# Altium PCB Air_Logger_PCB_ver2.PcbDoc (part 2 of 2)
Units mm, origin at the board's own origin, x right, y up, seen from the top; angles counter-clockwise.
Board outline 118.49 x 71.12 mm, 2 copper layers (Top Layer, Bottom Layer); 145 components, 85 nets, 471 pads, 157 vias.
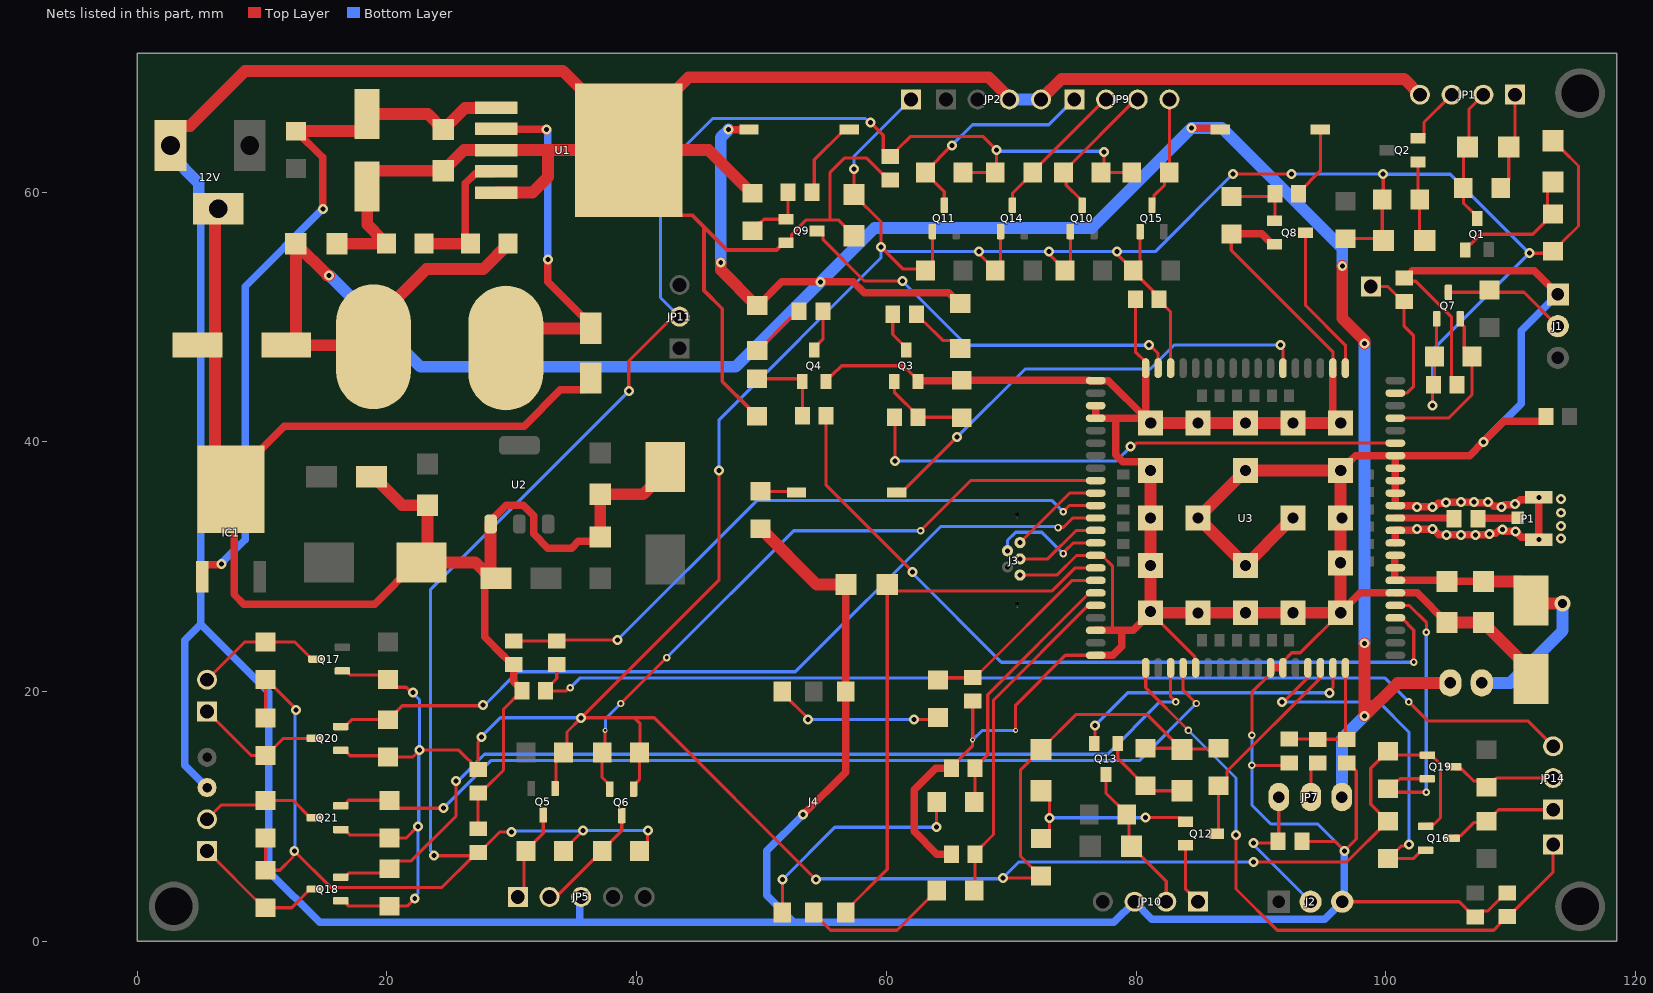
[diagram p2: the nets of this part, all layers, seen from the top]

## Via types
v1: diameter 0.8, hole 0.4, Top Layer to Bottom Layer, tented both sides, 111 vias
v2: diameter 1.27, hole 0.9, Top Layer to Bottom Layer, tented both sides, 20 vias
v3: diameter 0.6, hole 0.3, Top Layer to Bottom Layer, tented both sides, 18 vias
v4: diameter 1.27, hole 0.711, Top Layer to Bottom Layer, tented both sides, 4 vias
v5: diameter 0.4, hole 0.2, Top Layer to Bottom Layer, tented both sides, 3 vias
v6: diameter 0.5, hole 0.3, Top Layer to Bottom Layer, tented both sides, 1 vias

## Nets (pads, with @x,y where several pads share a name; then routed paths per layer and width w, separated by ;. In a path a pad name is that pad's centre, name@x,y a point inside that pad or via, vN(x,y) a via of type N, cw(c..) or ccw(c..) an arc to the next point about the centre after c; other vN are vias at no path point) (continued)
"23 LOG_TX": Q6.2 R17.1 U3.23 | length 53.2
  Top Layer w0.254: R17.1@37.235,15.24 R17.1@37.235,15.29 ; v5(37.465,16.891) 37.465,15.343 R17.1@37.235,15.113 37.235,13.123 37.851,12.507 Q6.2@37.851,12.192 ; v3(38.735,19.05) v3(42.418,22.733) ; v3(62.738,32.893) 66.754,36.909 U3.23@76.773,36.909
  Bottom Layer w0.254: v5(37.465,16.891) 37.505,16.931 37.505,17.82 v3(38.735,19.05) ; v3(42.418,22.733) 52.578,32.893 v3(62.738,32.893)
"26 GPIO_17": Q20.2 R53.1 U3.26 | length 67.5
  Top Layer w0.254: Q20.2@16.3,17.206 16.615,17.206 17.165,17.756 20.116,17.756 21.229,18.869 27.632,18.869 v1(27.686,18.923) ; v3(73.754,33.147) 73.774,33.167 74.188,33.167 74.93,33.909 U3.26@76.773,33.909
  Bottom Layer w0.254: v1(27.686,18.923) 27.813,18.923 30.48,21.59 52.705,21.59 64.335,33.22 73.547,33.22 73.554,33.213 73.687,33.213 v3(73.754,33.147)
"35 GPIO_13": C22.1 JP8.1 U3.35 | length 51.7
  Top Layer w0.254: U3.35@80.773,21.909 80.773,20.319 v3(84.201,16.891) ; v1(88.011,8.509) 88.011,4.191 91.313,0.889 108.645,0.889 109.158,1.402 109.158,1.502 109.631,1.975 109.831,1.975 113.411,5.555 JP8.1@113.411,7.747
  Bottom Layer w0.254: v3(84.201,16.891) 88.011,13.081 v1(88.011,8.509)
"37 I2C2_SDA": Q18.2 R47.1 U3.37 | length 77.2
  Top Layer w0.254: Q18.2@16.3,5.141 16.615,5.141 16.935,5.461 19.836,5.461 20.816,6.441 21.935,6.441 25.527,10.033 v1(25.527,12.827) ; U3.37@82.773,21.909 82.773,19.589 v3(83.185,19.177)
  Bottom Layer w0.254: v1(25.527,12.827) 25.654,12.827 27.813,14.986 77.724,14.986 81.915,19.177 v3(83.185,19.177)
"38 I2C2_SCL": Q21.2 R55.1 U3.38 | length 76.1
  Top Layer w0.254: Q21.2@16.3,10.856 16.615,10.856 16.788,11.029 16.788,11.154 16.937,11.303 20.169,11.303 R55.1@20.193,11.279 ; R55.1@19.77,10.856 19.97,10.656 24.499,10.656 v1(24.511,10.668) ; U3.38@83.773,21.909 83.773,20.113 v3(84.836,19.05)
  Bottom Layer w0.254: v1(24.511,10.668) 28.321,14.478 80.264,14.478 v3(84.836,19.05)
"48 GPIO_08": Q16.2 R43.1 U3.48 | length 29.2
  Top Layer w0.254: v1(91.694,19.177) 91.821,19.177 93.707,21.063 93.707,21.843 U3.48@93.773,21.909 ; R43.1@100.203,6.628 R43.1@100.253,6.628 ; v1(101.854,7.747) 101.75,7.643 101.268,7.643 R43.1@100.253,6.628 ; Q16.2@103.207,7.305 102.892,7.305 102.215,6.628 R43.1@100.253,6.628
  Bottom Layer w0.254: v1(91.694,19.177) 99.441,19.177 101.854,16.764 v1(101.854,7.747)
"49 RXD3": Q12.2 R32.2 U3.49 | length 16.9
  Top Layer w0.254: Q12.2@86.467,8.631 86.614,8.778 R32.2@86.614,12.47 86.664,12.47 87.287,13.093 87.287,13.627 94.707,21.047 94.707,21.843 U3.49@94.773,21.909
  Top Layer w0.6: Q12.2@86.467,8.631 86.489,8.631 Q12.2@86.614,8.756
"50 TXD3": Q13.3 U3.50 | length 23.5
  Top Layer w0.254: Q13.3@76.652,15.85 76.708,15.905 v1(76.708,17.272) ; v1(95.504,19.907) 95.504,20.054 95.773,20.324 U3.50@95.773,21.909
  Top Layer w0.6: v1@76.68,17.244 v1(76.708,17.272)
  Bottom Layer w0.254: v1(76.708,17.272) 79.343,19.907 v1(95.504,19.907)
"51 Vbat_ADC": C21.1 R19.1 R23.2 U3.51 | length 10.4
  Top Layer w0.254: R23.2@92.263,16.194 94.545,16.194 R19.1@94.554,16.186 C21.1@96.898,16.186 96.773,16.31 U3.51@96.773,21.909
"53 GPIO_18": Q19.2 R50.1 U3.53 | length 23.3
  Top Layer w0.254: U3.53@100.773,26.909 101.869,26.909 103.274,25.504 103.274,24.788 v3(103.251,24.765) ; v3(103.251,11.938) 100.481,11.938 R50.1@100.203,12.216 100.826,12.839 100.977,12.839 101.158,13.02 Q19.2@103.334,13.02
  Bottom Layer w0.254: v3(103.251,11.938) v3(103.251,24.765)
"66 STATUS": R9.1 U3.66 | length 44.2
  Top Layer w0.254: R9.1@60.649,41.976 60.706,41.92 v1(60.706,38.481) ; v1(79.576,39.624) 79.724,39.624 80.009,39.909 U3.66@100.773,39.909
  Bottom Layer w0.254: v1(60.706,38.481) 78.433,38.481 v1(79.576,39.624)
"68 GPIO_12": Q7.2 R20.1 U3.68 | length 13.4
  Top Layer w0.254: U3.68@100.773,41.909 105.028,41.909 106.91,43.791 R20.1@106.91,46.863 106.287,47.486 106.287,49.244 105.979,49.552 Q7.2@105.979,49.867
ADC0: R49.1 R52.2 U3.25 | length 51.8
  Top Layer w0.254: R52.2@30.16,24.068 30.169,24.06 R49.1@33.594,24.06 33.677,24.142 v1(38.469,24.142) ; v3(74.168,34.417) 74.66,34.909 U3.25@76.773,34.909
  Bottom Layer w0.254: v1(38.469,24.142) 49.633,35.306 73.279,35.306 v3(74.168,34.417)
ADC_Vbat: C20.1 J2.2 JP7.1 | length 12.2
  Top Layer w0.254: v1(89.408,7.874) 91.26,7.874 C20.1@91.383,7.998 91.44,8.054 JP7.1@91.44,11.557
  Bottom Layer w0.254: v1(89.408,7.874) 89.408,7.747 J2.2@93.98,3.175
ASig_IN3: C34.2 JP14.3 R49.2 | length 85.9
  Top Layer w0.254: R49.2@33.594,22.16 33.594,21.052 32.704,20.163 C34.2@32.704,20.063 34.374,20.063 34.631,20.32 v3(34.671,20.32) ; v3(101.854,19.177) 103.378,17.653 111.379,17.653 JP14.3@113.411,15.621
  Bottom Layer w0.254: v3(34.671,20.32) 35.433,21.082 99.949,21.082 v3(101.854,19.177)
CLK: JP9.1 Q11.3 R30.1 | length 17.6
  Top Layer w0.254: Q11.3@64.643,58.972 64.643,60.045 63.143,61.545 63.143,61.645 v1(65.252,63.754)
  Bottom Layer w0.254: v1(65.252,63.754) 66.903,65.405 73.025,65.405 JP9.1@75.057,67.437
CS: JP9.2 Q14.3 R37.1 | length 11.6
  Top Layer w0.254: Q14.3@70.104,58.972 70.104,59.918 70.631,60.445 71.731,61.545 R37.1@71.731,61.595 71.731,61.645 77.523,67.437 JP9.2@77.597,67.437
D0: JP12.2 Q17.3 R46.1 | length 10.5
  Top Layer w0.254: JP12.2@5.588,20.955 8.612,23.979 R46.1@10.287,23.979 12.619,23.979 13.992,22.606 Q17.3@14.307,22.606
D1: JP12.1 Q20.3 R54.1 | length 10.6
  Top Layer w0.254: JP12.1@5.588,18.415 6.261,17.742 9.12,14.883 10.337,14.883 11.71,16.256 Q20.3@14.18,16.256
D_DHT11: J1.2 Q7.3 R21.1 | length 10.1
  Top Layer w0.254: Q7.3@105.029,51.987 111.081,51.987 J1.2@113.792,49.276
  Top Layer w0.6: Q7.3@105.029,51.987 Q7.3@105.029,52.08 ; R21.1@108.238,52.08 R21.1@108.331,52.173
DSig_IN1: JP14.1 Q16.3 R44.1 | length 9
  Top Layer w0.254: Q16.3@105.327,8.255 105.5,8.428 105.964,8.428 107.045,9.509 107.958,9.509 R44.1@108.077,9.628 108.127,9.628 109.04,10.541 JP14.1@113.411,10.541
DSig_IN2: JP14.2 Q19.3 R51.1 | length 8.9
  Top Layer w0.254: Q19.3@105.454,13.97 105.627,13.797 106.091,13.797 107.045,12.843 107.577,12.843 R51.1@108.077,12.343 108.127,12.343 108.865,13.081 JP14.2@113.411,13.081
GND: 12V.2 12V.3 C2.2 C3.2 C4.2 C5.2 C7.2 C9.2 C10.2 C11.2 C12.1 C13.2 C14.2 C15.2 C16.1 C17.2 C18.2 C19.2 C20.2 C21.2 C22.2 C25.1 C27.1 C28.2 C29.2 C30.2 C31.2 C32.2 C33.2 C34.1 C35.2 D1.1 D2.1 D3.1 IC1.2 J1.1 J2.3 J3.5 J4.C5 JP1.4 JP2.3 JP2.4 JP5.3 JP10.3 P1.2 P1.3 pad.4 Q3.1 Q4.1 Q8.1 Q9.1 R1.2 R12.2 R14.1 R23.1 R24.1 R25.1 R31.2 R52.1 U1.3 U1.5 U1.6 U2.1 U3.2 U3.17 U3.18 U3.29 U3.39 U3.45 U3.46 U3.54 U3.58 U3.59 U3.61 U3.62 U3.63 U3.64 U3.65 U3.69 U3.70 U3.71 U3.72 U3.73 U3.74 U3.75 U3.76 U3.77 U3.78 U3.79 U3.80 U3.81 U3.82 U3.83 U3.84 U3.85 U3.86 U3.87 U3.88 U3.89 U3.91 U3.92 U3.94 | length 947.7
  Top Layer w0.254: C31.2@27.305,9.017 27.302,9.02 C30.2@27.302,11.873 27.775,12.346 27.967,12.346 29.337,13.716 29.337,18.595 C34.1@30.804,20.063 ; U1.6@39.37,63.373 39.37,62.323 U1.6@43.543,58.15 ; Q9.1@51.793,55.956 Q9.1@51.968,55.956 52.111,55.956 52.409,56.254 52.409,56.6 53.594,57.785 55.499,57.785 ; Q4.1@55.169,44.856 55.169,45.031 55.467,45.329 55.642,45.329 56.413,46.101 61.368,46.101 62.139,45.329 62.237,45.329 62.574,44.993 Q3.1@62.574,44.895 ; C17.2@57.404,56.516 56.135,57.785 55.499,57.785 ; C27.1@60.325,60.965 59.852,61.438 59.72,61.438 58.42,62.738 56.642,62.738 55.499,61.595 55.499,57.785 ; C32.2@65.213,13.846 65.213,13.946 66.893,15.627 66.893,16.108 v5(66.921,16.136) 66.921,19.234 C29.2@66.926,19.239 ; v5(70.358,16.891) 70.358,18.923 74.344,22.909 U3.94@76.773,22.909 ; J3.5@70.705,29.334 70.708,29.337 73.66,29.337 75.232,30.909 U3.29@76.773,30.909 77.273,30.909 78.105,30.077 78.105,24.909 ; C25.1@79.953,51.432 79.953,47.229 80.773,46.409 U3.17@80.773,45.909 ; v2(81.153,26.416) 81.153,26.339 U3.77@81.173,26.32 84.707,22.786 84.707,21.975 U3.39@84.773,21.909 ; R25.1@87.63,56.666 87.63,55.372 95.773,47.229 U3.2@95.773,45.909 ; v3(89.281,14.097) 92.125,14.097 R23.1@92.266,14.238 ; v3(89.281,16.51) 89.281,19.939 90.773,21.431 U3.45@90.773,21.909 ; U3.46@91.773,21.909 91.773,22.409 92.478,23.114 93.167,23.114 96.342,26.289 U3.81@96.393,26.289 ; C20.2@93.283,7.998 95.954,7.998 v1(96.701,7.25) 97.647,8.196 97.647,13.643 97.477,13.813 97.371,13.813 C21.2@96.898,14.286 ; J2.3@96.52,3.175 105.876,3.175 107.085,1.967 C35.2@107.185,1.967 107.658,2.44 108.196,2.44 109.631,3.875 C22.2@109.731,3.875 ; U3.54@100.273,27.909 U3.54@100.773,27.909 ; U3.62@100.273,35.909 U3.62@100.773,35.909 ; C15.2@101.576,53.151 C15.2@101.476,53.151 101.757,52.871 102.409,52.871 103.845,51.435 105.283,49.997 105.283,45.02 C19.2@105.729,44.574
  Top Layer w0.3: U1.6@43.543,58.15 44.466,58.15 45.402,57.213 ; R14.1@49.657,42.061 49.607,42.061 49.007,42.661 49.007,42.711 46.863,44.855 46.863,50.673 45.402,52.133 45.402,57.213 ; Q9.1@51.793,55.956 51.209,55.372 47.244,55.372 45.402,57.213
  Top Layer w0.6: C13.2@22.75,30.353 22.35,30.353 19.007,27.01 8.52,27.01 7.747,27.783 7.747,35.97 IC1.2@7.507,36.21 7.507,37.01 11.772,41.275 30.988,41.275 33.88,44.167 35.772,44.167 36.322,44.717 D1.1@36.322,45.117 ; U2.1@28.307,33.426 28.307,33.676 29.556,34.925 30.919,34.925 31.75,34.094 31.75,32.639 32.893,31.496 34.798,31.496 35.334,32.032 36.732,32.032 C10.2@37.084,32.384 ; D2.1@29.134,29.083 D2.1@28.734,29.083 28.334,29.083 27.813,28.562 27.813,24.408 29.328,22.893 29.336,22.893 30.06,22.168 R52.1@30.16,22.168 30.16,20.807 30.804,20.163 C34.1@30.804,20.063 ; v1(53.34,10.16) 56.732,13.552 J4.C5@56.732,20.026 56.751,20.045 56.751,28.556 C33.2@56.77,28.575 ; Q3.1@62.574,44.895 66.001,44.895 R12.2@66.04,44.934 76.258,44.934 76.273,44.919 U3.89@76.773,44.919 77.773,44.919 U3.73@80.773,41.919 ; C28.2@65.213,6.988 64.043,6.988 62.23,8.801 62.23,12.134 63.943,13.846 C32.2@65.213,13.846 ; U3.94@76.773,22.909 78.154,22.909 78.867,23.622 78.867,24.909 ; U3.92@76.773,24.909 78.105,24.909 78.867,24.909 ; U3.91@76.773,42.909 U3.18@76.773,41.909 78.359,41.909 ; U3.73@80.646,41.909 78.359,41.909 ; U3.17@80.773,45.909 U3.73@80.773,41.919 ; U3.77@81.153,26.339 81.153,26.3 79.762,24.909 78.867,24.909 ; v2(81.153,37.719) 81.153,37.74 80.473,38.42 78.928,38.42 78.359,38.989 78.359,41.909 ; v2(81.173,41.52) U3.73@80.773,41.919 ; R25.1@87.63,56.666 90.073,56.666 90.909,55.829 Q8.1@91.084,55.829 ; U3.45@90.773,21.909 U3.46@91.773,21.909 ; U3.2@95.773,45.909 95.773,42.149 v2(96.393,41.529) ; U3.81@96.393,26.289 96.393,26.34 97.962,27.909 U3.54@100.273,27.909 ; v2(96.393,37.719) 96.393,37.74 97.073,38.42 97.094,38.42 97.583,38.909 U3.65@100.773,38.909 ; J2.3@96.52,3.175 J2.3@96.712,3.367 ; U3.54@100.773,27.909 102.521,27.909 C16.1@104.902,25.528 ; U3.58@100.773,31.909 U3.59@100.773,32.909 102.346,32.909 102.446,33.009 v1(103.759,33.009) ; C15.2@101.576,53.151 102.146,53.721 111.887,53.721 J1.1@113.792,51.816 ; v1(102.489,34.809) 102.435,34.809 102.335,34.909 U3.61@100.773,34.909 U3.62@100.773,35.909 U3.63@100.773,36.909 U3.64@100.773,37.909 U3.65@100.773,38.909 ; v1@102.5,34.809 103.929,34.809 104.229,35.109 104.823,35.109 104.874,35.16 106.03,35.16 106.049,35.179 v1(107.061,35.179) 107.099,35.141 108.353,35.141 108.658,34.836 109.236,34.836 v1(109.274,34.798) 109.328,34.798 109.504,34.974 v1@110.365,34.974 ; v1@103.759,33.063 104.235,32.587 104.814,32.587 v1(104.853,32.549) ; v1@104.853,32.567 104.872,32.549 v1(106.045,32.548) ; v1@106.125,32.548 v1(107.188,32.548) 107.226,32.586 108.224,32.586 108.277,32.639 v1(108.331,32.639) 108.369,32.677 108.816,32.677 109.081,32.942 109.309,32.942 v1(109.347,32.98) ; v1@109.361,33.02 109.531,32.85 110.333,32.85 110.381,32.803 110.444,32.803 110.874,32.373 112.073,32.373 v1(112.273,32.173) 112.268,32.177 v1(112.268,35.56) 112.068,35.36 110.768,35.36 110.383,34.975 v1@110.366,34.975 ; C18.2@112.838,42.04 112.838,41.94 112.538,41.64 109.458,41.64 v1(107.823,40.005) 106.727,38.909 U3.65@100.773,38.909
  Top Layer w0.95: 12V.2@2.667,63.754 2.667,64.516 3.462,65.311 4.224,65.311 8.636,69.723 34.07,69.723 U1.6@39.37,64.423 ; C2.2@4.832,47.752 C2.2@5.832,47.752 ; 12V.3@6.477,58.674 6.223,58.42 6.223,48.143 C2.2@5.832,47.752 ; IC1.2@7.507,36.21 6.223,37.494 6.223,47.361 C2.2@5.832,47.752 ; C3.2@16.001,55.88 R1.2@19.963,55.88 19.963,55.93 19.688,56.205 19.638,56.205 18.415,57.428 C4.2@18.415,60.473 18.415,61.198 18.94,61.723 C5.2@24.511,61.723 26.161,63.373 U1.3@28.77,63.373 32.893,63.373 ; D3.1@18.764,37.211 19.164,37.211 19.539,36.836 19.539,36.595 21.208,34.926 C14.2@23.241,34.926 23.241,30.844 C13.2@22.75,30.353 27.064,30.353 D2.1@28.334,29.083 ; D2.1@28.307,29.458 U2.1@28.307,33.426 ; U1.5@28.77,59.973 31.652,59.973 32.893,61.214 32.893,63.373 ; C10.2@37.084,32.384 C11.2@37.084,35.815 40.516,35.815 42.291,37.59 C9.2@42.291,37.99 C9.2@42.291,38.39 ; R31.2@49.276,59.92 49.226,59.92 45.773,63.373 U1.6@39.37,63.373 ; R24.1@49.911,33.044 49.961,33.044 54.43,28.575 C33.2@56.77,28.575 ; JP2.3@69.85,67.437 69.85,67.564 68.199,69.215 44.162,69.215 U1.6@39.37,64.423 ; JP2.4@72.39,67.437 74.041,69.088 101.473,69.088 JP1.4@102.743,67.818 ; v2(81.153,37.719) 81.173,37.699 81.173,33.929 v2(81.153,33.909) 81.173,33.889 U3.76@81.173,30.12 v2(81.153,30.099) 81.173,30.079 81.173,26.436 v2(81.153,26.416) 81.249,26.32 84.932,26.32 v2(84.963,26.289) 84.994,26.32 v2(88.773,26.32) v2(92.573,26.32) 96.362,26.32 U3.81@96.373,26.309 ; v2(81.173,41.52) 84.954,41.52 v2(84.963,41.529) U3.72@84.973,41.52 ; v2(84.963,33.909) 84.984,33.909 88.248,30.645 88.248,30.624 v2(88.773,30.099) U3.87@88.773,30.12 92.048,33.395 92.562,33.909 v2(92.583,33.909) ; v2(84.963,33.909) U3.86@84.973,33.92 v2(88.773,37.719) ; U3.72@84.973,41.52 88.764,41.52 v2(88.773,41.529) 88.782,41.52 U3.70@92.573,41.52 ; v2(88.773,37.719) U3.84@96.373,37.72 v2(96.393,37.719) 96.373,37.699 U3.83@96.373,33.92 v2(96.373,30.32) U3.81@96.373,26.32 U3.81@96.373,26.309 ; U3.70@92.573,41.52 v2(92.583,41.529) 92.592,41.52 U3.69@96.373,41.52 96.384,41.52 v2(96.393,41.529) ; U3.81@96.393,26.289 U3.81@96.373,26.309 ; C16.1@104.902,25.528 C12.1@107.823,25.528 110.708,22.643 110.708,21.93 C7.2@111.633,21.005 ; 32.893,63.373 U1.6@39.37,63.373 ; U1.6@39.37,63.373 U1.6@39.37,64.423
  Bottom Layer w0.254: v5(66.921,16.136) 67.676,16.891 v5(70.358,16.891) ; v3(89.281,16.51) v3(89.281,14.097) 89.281,10.922 90.805,9.398 94.553,9.398 v1(96.701,7.25)
  Bottom Layer w0.6: pad.4@5.588,12.319 3.81,14.097 3.81,24.13 5.08,25.4 ; 12V.3@6.477,58.674 6.05,58.674 5.08,57.704 5.08,25.4 ; JP5.3@35.56,3.556 35.433,3.429 35.433,1.524 ; v1(53.34,10.16) 50.419,7.239 50.419,3.683 52.578,1.524 ; v1(96.701,7.25) 96.663,7.212 96.663,3.318 J2.3@96.52,3.175 95.131,1.786 81.272,1.786 JP10.3@79.883,3.175 78.232,1.524 52.578,1.524 ; v1(107.823,40.005) 110.871,43.053 110.871,48.895 J1.1@113.792,51.816 ; 5.08,25.4 10.541,19.939 10.541,5.588 14.605,1.524 35.433,1.524 ; 35.433,1.524 52.578,1.524
  Bottom Layer w0.95: 12V.2@2.667,63.754 2.667,62.992 4.92,60.739 4.92,59.469 5.715,58.674 12V.3@6.05,58.674 ; JP2.3@69.85,67.437 JP2.4@72.39,67.437 ; v2(81.153,26.416) 81.24,26.416 v2@81.367,26.289 ; v2(81.173,41.52) v2@81.178,41.524 ; v2@84.958,41.524 v2(84.963,41.529)
  other v1: 114.046,32.258 110.381,32.812 102.5,33.009 114.046,33.274 114.046,34.33 103.759,34.809 110.366,35.012 104.849,35.147 106.038,35.172 108.204,35.19 114.046,35.433
  other v2: 96.393,26.314 96.5,33.92
MCU1_RX: C1.2 JP1.2 Q1.2 R3.1 | length 11.1
  Top Layer w0.254: Q1.2@107.32,57.892 107.32,58.067 107.022,58.365 106.999,58.365 106.22,59.144 R3.1@106.22,60.325 106.22,63.293 C1.2@106.554,63.627 106.68,63.753 106.68,66.675 JP1.2@107.823,67.818
MCU1_TX: JP1.3 Q2.3 | length 4.7
  Top Layer w0.254: Q2.3@102.766,64.318 103.064,64.616 103.064,65.599 JP1.3@105.283,67.818
  Top Layer w0.6: Q2.3@102.766,64.318 Q2.3@102.891,64.443
MCU3_RX: C23.2 JP10.2 Q13.2 R33.1 | length 12.2
  Top Layer w0.254: Q13.2@77.592,13.355 77.592,11.866 79.248,10.21 R33.1@79.248,10.16 79.438,9.97 C23.2@79.438,7.81 ; C23.2@79.628,7.62 82.423,4.825 JP10.2@82.423,3.175
  Top Layer w0.6: C23.2@79.438,7.81 C23.2@79.628,7.62
MCU3_TX: JP10.1 Q12.3 | length 4.9
  Top Layer w0.254: Q12.3@83.972,7.691 83.972,4.166 JP10.1@84.963,3.175
MISO: JP9.4 Q15.3 R39.1 | length 9.1
  Top Layer w0.254: Q15.3@81.28,58.972 81.435,59.127 81.435,59.718 82.28,60.563 82.28,61.222 R39.1@82.653,61.595 ; R39.1@82.653,61.545 82.677,61.569 JP9.4@82.677,67.437
  Top Layer w0.6: JP9.4@82.665,67.425 JP9.4@82.677,67.437
MOSI: JP9.3 Q10.3 R28.1 | length 11.6
  Top Layer w0.254: Q10.3@75.692,58.972 75.692,59.287 75.519,59.46 74.416,60.563 74.416,61.371 R28.1@74.192,61.595 74.192,61.645 79.984,67.437 JP9.3@80.137,67.437
NetC4_1: C4.1 C5.1 IC1.1 R4.2 U1.1 | length 59.7
  Top Layer w0.6: IC1.1@5.207,29.21 5.207,29.96 5.407,30.16 6.611,30.16 6.677,30.226 v1(6.731,30.226) ; R4.2@12.7,64.897 12.75,64.897 14.859,62.788 v1(14.859,58.674)
  Top Layer w0.95: R4.2@12.75,64.897 17.89,64.897 18.415,65.422 C4.1@18.415,66.273 23.261,66.273 C5.1@24.511,65.023 26.236,66.748 28.745,66.748 U1.1@28.77,66.773
  Bottom Layer w0.6: v1(6.731,30.226) 6.731,30.28 8.636,32.185 8.636,52.451 v1(14.859,58.674)
NetC6_1: C6.1 Q1.1 R5.2 | length 11.3
  Top Layer w0.254: Q1.1@106.37,55.392 106.37,55.567 106.668,55.865 106.843,55.865 107.62,56.642 111.784,56.642 R5.2@113.411,58.269 112.957,58.723 112.957,60.38 C6.1@113.411,60.834
NetC7_1: C7.1 C12.2 C16.2 JP3.1 U3.55 U3.56 U3.57 | length 27
  Top Layer w0.6: U3.57@100.773,30.909 100.711,30.909 100.711,28.909 U3.55@100.773,28.909 104.821,28.909 C16.2@104.902,28.828 C12.2@107.823,28.828
  Top Layer w0.95: C12.2@107.823,28.828 110.708,28.828 111.633,27.903 C7.1@111.633,27.305 111.887,27.051 v4(114.173,27.051)
  Bottom Layer w0.95: JP3.1@107.696,20.701 109.982,20.701 114.173,24.892 v4(114.173,27.051)
NetC8_1: C8.1 Q2.1 R7.2 | length 6.6
  Top Layer w0.254: Q2.1@102.596,62.428 102.596,59.559 R7.2@102.719,59.436 102.719,56.538 C8.1@103.123,56.134
  Top Layer w0.6: Q2.1@102.596,62.428 Q2.1@102.658,62.367
NetC24_1: C24.1 Q12.1 R34.2 | length 15
  Top Layer w0.254: R34.2@72.39,8.231 R34.2@72.44,8.231 ; C24.1@72.39,12.066 73.063,11.393 73.063,8.854 72.845,8.636 R34.2@72.749,8.636 ; v1(80.772,9.906) 83.345,9.906 83.372,9.879 83.669,9.879 Q12.1@83.967,9.581
  Bottom Layer w0.254: v1(73.063,9.895) 73.069,9.901 80.767,9.901 v1(80.772,9.906)
NetC26_1: C26.1 Q13.1 R35.2 | length 7.7
  Top Layer w0.254: Q13.1@78.542,15.855 78.542,14.65 R35.2@80.722,12.47 ; R35.2@80.772,12.47 81.176,12.066 C26.1@83.693,12.066
  Top Layer w0.6: R35.2@80.722,12.47 R35.2@80.772,12.47 ; C26.1@83.491,12.268 C26.1@83.693,12.066
NetD1_2: D1.2 L1.1 U1.2 | length 30.7
  Top Layer w0.6: U1.2@28.77,65.073 28.795,65.048 32.742,65.048 v1(32.766,65.024) v1@32.766,64.897 ; L1.1@29.523,47.525 L1.1@29.523,49.208 ; v1(32.893,54.61) 32.893,52.832 35.658,50.067 35.772,50.067 36.322,49.517 D1.2@36.322,49.117
  Top Layer w0.95: L1.1@29.523,47.525 31.082,49.084 36.289,49.084 D1.2@36.322,49.117
  Bottom Layer w0.6: v1(32.766,65.024) 32.766,64.97 32.893,64.843 v1(32.893,54.61)
NetJ4_C2: J4.C2 R40.2 | length 11.8
  Top Layer w0.254: J4.C2@54.192,2.326 54.192,2.226 55.529,0.889 60.857,0.889 63.359,3.391 63.409,3.391 64.032,4.014 R40.2@64.032,4.064
NetJ4_C3: J4.C3 R42.2 | length 18.8
  Top Layer w0.254: J4.C3@51.652,2.326 51.689,2.363 v1(51.689,4.953) ; v1(64.008,9.144) 64.008,11.152 R42.2@64.032,11.176
  Top Layer w0.6: v1@51.671,4.935 v1(51.689,4.953) ; v1(64.008,9.144) v1@64.02,9.156
  Bottom Layer w0.254: v1(51.689,4.953) 55.88,9.144 v1(64.008,9.144)
NetJ4_C7: J4.C7 R41.2 | length 13.6
  Top Layer w0.254: J4.C7@51.652,20.026 51.652,19.926 53.721,17.857 v1(53.721,17.78) ; v1(62.23,17.78) 63.984,17.78 R41.2@64.135,17.931
  Bottom Layer w0.254: v1(53.721,17.78) v1(62.23,17.78)
NetJP7_2: JP7.2 R19.2 | length 3
  Top Layer w0.254: JP7.2@94.005,11.557 94.005,13.813 94.478,14.286 R19.2@94.554,14.286
NetL2_2: L2.2 R8.1 | length 5.3
  Top Layer w0.254: R8.1@62.414,50.226 62.414,50.126 62.887,49.653 62.987,49.653 64.506,48.133 65.278,48.133 L2.2@65.913,47.498
  Top Layer w0.6: L2.2@65.451,47.96 L2.2@65.913,47.498
NetL3_2: L3.2 R10.2 | length 5.1
  Top Layer w0.254: L3.2@49.657,47.32 49.721,47.32 52.307,49.907 52.548,49.907 R10.2@53.021,50.38
  Top Layer w0.6: R10.2@52.721,50.08 R10.2@53.021,50.38
NetP1_1: P1.1 R11.2 | length 3.3
  Top Layer w0.254: P1.1@110.516,33.848 P1.1@110.58,33.912
  Top Layer w0.6: R11.2@107.38,33.848 107.412,33.88 110.484,33.88 P1.1@110.516,33.848
NetQ3_2: Q3.2 R8.2 | length 3.3
  Top Layer w0.254: R8.2@60.514,50.226 60.514,48.607 61.595,47.526 Q3.2@61.595,47.351
NetQ3_3: Q3.3 R9.2 R12.1 | length 7.2
  Top Layer w0.254: Q3.3@60.645,44.851 60.645,43.981 62.549,42.076 R9.2@62.549,41.976 65.998,41.976 R12.1@66.019,41.955
  Top Layer w0.6: R12.1@66.019,41.955 R12.1@66.04,41.934
NetQ4_2: Q4.2 R10.1 | length 3.4
  Top Layer w0.254: Q4.2@54.229,47.351 54.229,47.526 54.921,48.218 R10.1@54.921,50.48
NetQ4_3: Q4.3 R13.2 R14.2 | length 6.5
  Top Layer w0.254: R14.2@49.657,45.061 53.065,45.061 Q4.3@53.277,44.849 ; R13.2@53.275,42.098 53.279,42.102 Q4.3@53.279,44.851
NetQ8_2: Q8.2 U3.1 | length 12.2
  Top Layer w0.254: Q8.2@93.579,56.769 93.579,50.947 96.773,47.753 U3.1@96.773,45.909
NetQ8_3: Q8.3 R22.2 R25.2 | length 5.9
  Top Layer w0.254: R25.2@87.63,59.666 90.909,59.666 R22.2@91.1,59.857 ; Q8.3@91.079,57.719 91.121,57.761 R22.2@91.121,59.878
  Top Layer w0.6: R25.2@87.63,59.666 R25.2@87.736,59.772 ; Q8.3@91.079,57.719 Q8.3@91.1,57.74
NetQ9_2: Q9.2 U3.16 | length 32.8
  Top Layer w0.254: Q9.2@54.463,56.896 54.638,56.896 54.936,56.598 54.936,56.189 58.231,52.894 v1(61.279,52.894) ; v1(81.026,47.752) 81.111,47.752 81.773,47.09 U3.16@81.773,45.909
  Bottom Layer w0.254: v1(61.279,52.894) 66.421,47.752 v1(81.026,47.752)
NetQ9_3: Q9.3 R26.2 R31.1 | length 6
  Top Layer w0.254: R31.1@49.276,56.92 49.326,56.92 49.949,57.543 49.949,57.593 50.202,57.846 Q9.3@51.963,57.846 52.007,57.846 52.132,57.971 R26.2@52.132,60.005
  Top Layer w0.6: R31.1@49.276,56.92 49.326,56.92 R31.1@49.776,57.37
NetR1_1: R1.1 R2.1 U1.4 | length 11.6
  Top Layer w0.6: R2.1@26.694,55.88 26.289,56.285 26.289,60.706 27.056,61.473 28.57,61.473 U1.4@28.77,61.673
  Top Layer w0.95: R1.1@22.963,55.88 26.289,55.88 R2.1@26.694,55.88
NetR11_1: R11.1 U3.60 | length 4.7
  Top Layer w0.254: R11.1@105.42,33.909 R11.1@105.48,33.848
  Top Layer w0.6: U3.60@100.773,33.909 R11.1@105.42,33.909
NetR13_1: R13.1 U3.52 | length 63
  Top Layer w0.254: R13.1@55.175,42.098 55.175,36.519 v1(62.103,29.591) ; U3.52@100.773,25.909 101.273,25.909 102.25,24.932 v3(102.25,22.367)
  Bottom Layer w0.254: v1(62.103,29.591) 62.103,29.464 69.215,22.352 102.235,22.352 v3(102.25,22.367)
NetR22_1: R22.1 SW1.2 | length 5.9
  Top Layer w0.254: R22.1@93.021,59.878 93.021,59.978 94.767,61.725 SW1.2@94.767,65.024
NetR24_2: R24.2 SW2.1 | length 2.9
  Top Layer w0.254: R24.2@49.911,36.044 52.704,36.044 SW2.1@52.807,35.941
NetR26_1: R26.1 SW3.2 | length 6.5
  Top Layer w0.254: R26.1@54.032,60.005 54.229,60.202 54.229,62.605 56.648,65.024 SW3.2@57.023,65.024
NetSW2_2: SW2.2 U3.6 | length 37.8
  Top Layer w0.254: SW2.2@60.833,35.941 61.208,35.941 v1(65.653,40.386) ; v1(91.567,47.752) 91.567,47.604 91.773,47.398 U3.6@91.773,45.909
  Top Layer w0.6: SW2.2@60.833,35.941 SW2.2@60.933,36.041 ; v1@65.615,40.348 v1(65.653,40.386)
  Bottom Layer w0.254: v1(65.653,40.386) 71.114,45.847 81.153,45.847 83.08,47.774 91.545,47.774 v1(91.567,47.752)
RX2: JP5.1 Q5.3 R16.1 | length 7.4
  Top Layer w0.254: JP5.1@30.48,3.556 30.988,4.064 30.988,7.088 R16.1@31.139,7.239 ; R16.1@31.139,7.289 32.512,8.662 Q5.3@32.512,10.116
SCL: JP13.2 Q21.3 R56.1 | length 9.8
  Top Layer w0.254: JP13.2@5.588,9.779 6.731,10.922 9.93,10.922 R56.1@10.287,11.279 12.492,11.279 13.865,9.906 Q21.3@14.18,9.906
SDA: JP13.1 Q18.3 R48.1 | length 11.1
  Top Layer w0.254: JP13.1@5.588,7.239 6.261,6.566 9.513,3.314 9.664,3.314 R48.1@10.287,2.691 12.365,2.691 13.865,4.191 Q18.3@14.18,4.191
SIM_CLK: C32.1 R42.1 U3.32 | length 21
  Top Layer w0.254: R42.1@66.929,11.279 67.113,11.463 C32.1@67.113,13.846 67.113,13.946 68.126,14.96 68.126,19.762 76.273,27.909 U3.32@76.773,27.909
SIM_DATA: C29.1 R41.1 U3.31 | length 15.9
  Top Layer w0.254: R41.1@64.135,20.931 64.343,21.139 C29.1@66.926,21.139 67.399,21.612 67.586,21.612 74.883,28.909 U3.31@76.773,28.909
SIM_RST: C28.1 R40.1 U3.33 | length 27.2
  Top Layer w0.254: R40.1@67.032,4.064 67.113,4.145 C28.1@67.113,6.988 67.113,7.088 68.58,8.556 68.58,19.304 76.185,26.909 U3.33@76.773,26.909
SIM_VDD: C33.1 J4.C1 U3.30 | length 45.3
  Top Layer w0.254: J4.C1@56.732,2.326 56.732,2.426 60.07,5.764 C33.1@60.07,28.575 60.578,28.067 73.279,28.067 75.121,29.909 U3.30@76.773,29.909
TX2: JP5.2 Q6.3 R18.1 | length 9.3
  Top Layer w0.254: JP5.2@33.02,3.556 33.278,3.814 33.81,3.814 36.562,6.566 36.612,6.566 37.235,7.189 R18.1@37.235,7.239 37.235,7.289 38.801,8.855 Q6.3@38.801,10.072
USB_DN: J3.2 U3.28 | length 9.3
  Top Layer w0.254: v3(74.168,31.058) 74.168,31.082 74.332,31.246 74.332,31.279 74.962,31.909 U3.28@76.773,31.909
  Bottom Layer w0.254: J3.2@69.705,31.284 69.707,31.286 69.707,32.115 70.358,32.766 72.46,32.766 v3(74.168,31.058)
USB_DP: J3.3 U3.27 | length 7
  Top Layer w0.254: J3.3@70.705,30.634 72.925,30.634 75.2,32.909 U3.27@76.773,32.909
V_IO: C27.2 C31.1 JP11.2 R16.2 R18.2 R28.2 R30.2 R37.2 R39.2 R46.2 R48.2 R54.2 R56.2 | length 175.9
  Top Layer w0.254: R56.2@10.287,8.279 R48.2@10.287,5.691 11.406,5.691 12.469,6.754 12.469,7.135 v1(12.573,7.239) 15.494,4.318 24.406,4.318 C31.1@26.946,6.858 ; R54.2@10.287,17.883 R46.2@10.287,20.979 10.337,20.979 12.7,18.616 v1(12.7,18.542) ; v1(23.749,6.858) C31.1@26.946,6.858 ; v1(29.972,8.763) 29.051,8.763 27.405,7.117 C31.1@27.305,7.117 27.205,7.117 C31.1@26.946,6.858 ; R16.2@34.139,7.239 34.139,7.289 35.687,8.837 v1(35.687,8.89) ; v1(39.37,44.069) 39.37,46.482 42.668,49.78 43.176,49.78 JP11.2@43.434,50.038 ; R18.2@40.235,7.239 40.858,7.862 40.858,8.854 v1(40.894,8.89) ; v1(58.749,65.607) 58.749,65.584 59.752,64.581 59.752,63.338 60.225,62.865 C27.2@60.325,62.865 60.425,62.865 60.898,63.338 60.898,63.438 61.941,64.481 67.726,64.481 v1(68.834,63.373) 68.834,61.698 R37.2@68.731,61.595 R30.2@66.143,61.595 ; v1(77.432,63.208) 77.432,61.835 R28.2@77.192,61.595 R39.2@79.653,61.595
  Top Layer w0.6: v1@77.393,63.169 v1(77.432,63.208)
  Bottom Layer w0.254: v1(12.573,7.239) 12.636,7.302 12.636,18.479 v1(12.7,18.542) ; v1(23.749,6.858) 23.749,7.006 23.495,7.26 23.495,28.194 v1(39.37,44.069) ; v1(29.972,8.763) 30.035,8.826 35.623,8.826 v1(35.687,8.89) v1(40.894,8.89) ; JP11.2@43.434,50.038 41.91,51.562 41.91,61.722 46.101,65.913 58.327,65.913 58.633,65.607 v1(58.749,65.607) ; v1(68.834,63.373) 68.917,63.29 77.349,63.29 v1(77.432,63.208)
  Bottom Layer w0.6: v1@77.378,63.208 v1(77.432,63.208)
Vbat: C2.1 C3.1 JP3.2 JP7.3 L1.2 L2.1 L3.1 R2.2 SW1.1 SW3.1 | length 221.3
  Top Layer w0.6: v1(47.371,65.024) SW3.1@48.997,65.024 ; L3.1@49.657,50.927 49.721,50.927 51.625,52.832 57.331,52.832 58.22,51.943 65.011,51.943 65.849,51.105 L2.1@65.913,51.105 ; v1(84.455,65.151) 84.493,65.113 86.652,65.113 SW1.1@86.741,65.024
  Top Layer w0.95: C2.1@11.932,47.752 C2.1@12.176,47.752 ; v1(15.367,53.34) 15.241,53.34 C3.1@12.701,55.88 12.701,48.277 C2.1@12.176,47.752 ; R2.2@29.694,55.88 29.694,55.83 27.716,53.853 23.151,53.853 18.923,49.625 L1.2@18.923,47.625 18.796,47.752 C2.1@12.176,47.752 ; v1(46.736,54.356) 46.736,53.785 49.593,50.927 L3.1@49.657,50.927 ; v1(96.52,54.102) 96.52,49.911 98.298,48.133 v1(98.298,47.879) ; v1(98.298,23.876) v1(98.298,18.034) 100.952,20.688 105.168,20.688 JP3.2@105.181,20.701
  Bottom Layer w0.95: v1(15.367,53.34) 22.684,46.023 42.354,46.023 44.514,46.023 47.928,46.023 59.055,57.15 76.454,57.15 v1(84.455,65.151) 86.868,65.151 96.52,55.499 v1(96.52,54.102) ; v1(46.736,54.356) 46.736,64.389 v1(47.371,65.024) ; JP7.3@96.495,11.557 96.495,16.231 v1(98.298,18.034) ; v1(98.298,23.876) v1(98.298,47.879)
  other v1: 54.737,52.832
VBUS: J3.1 U3.24 | length 7.8
  Top Layer w0.254: J3.1@70.705,31.934 74.68,35.909 U3.24@76.773,35.909
  Top Layer w0.6: J3.1@70.705,31.934 J3.1@70.705,31.97
VDD_1V8: C6.2 C8.2 C17.1 C19.1 C24.2 C25.2 C26.2 C30.1 JP6.1 Q5.1 Q6.1 Q7.1 Q10.1 Q11.1 Q14.1 Q15.1 Q16.1 Q17.1 Q18.1 Q19.1 Q20.1 Q21.1 R5.1 R6.1 R7.1 R15.2 R17.2 R20.2 R27.2 R29.2 R32.1 R34.1 R35.1 R36.2 R38.2 R43.2 R45.2 R47.2 R50.2 R53.2 R55.2 U3.15 | length 390.9
  Top Layer w0.254: Q18.1@16.3,3.241 16.615,3.241 16.788,3.068 16.788,2.967 16.937,2.818 21.614,2.818 v1(22.225,3.429) ; Q21.1@16.3,8.956 16.615,8.956 16.788,8.783 16.788,8.772 17.051,8.509 19.963,8.509 R55.2@20.193,8.279 21.541,8.279 v1(22.479,9.217) ; Q20.1@16.3,15.306 16.615,15.306 17.062,14.859 19.963,14.859 R53.2@20.066,14.756 22.049,14.756 v1(22.606,15.313) 25.761,15.313 C30.1@27.302,13.773 27.302,15.978 27.559,16.235 v1(27.559,16.383) ; Q17.1@16.427,21.656 16.742,21.656 17.062,21.336 19.709,21.336 20.689,20.356 21.533,20.356 21.95,19.939 v1(22.098,19.939) ; Q5.1@33.462,12.236 33.528,12.302 33.528,14.502 34.417,15.391 34.417,16.764 v1(35.56,17.907) ; v1@35.664,17.759 35.812,17.907 39.82,17.907 ; v1@35.715,17.752 35.686,17.781 v1(35.56,17.907) ; Q6.1@39.751,12.192 39.751,12.507 40.235,12.991 R17.2@40.235,15.113 40.259,15.137 40.259,17.468 39.82,17.907 ; v1(46.609,37.719) 46.609,28.956 v1(35.56,17.907) ; v1(54.356,4.953) 41.402,17.907 39.82,17.907 ; v1(57.404,61.849) C17.1@57.404,59.816 59.563,57.657 v1(59.563,55.626) 61.341,53.848 63.016,53.848 R29.2@63.143,53.721 63.693,54.271 Q11.1@63.693,56.852 ; v1@67.541,54.961 68.731,53.771 R36.2@68.731,53.721 69.154,54.144 Q14.1@69.154,56.852 ; v1(69.342,5.08) 72.189,5.08 72.34,5.231 70.739,6.832 70.739,13.715 C24.2@72.39,15.366 75.185,18.161 80.898,18.161 C26.2@83.589,15.47 ; v1@73.129,54.961 74.319,53.771 R27.2@74.319,53.721 74.742,54.144 Q10.1@74.742,56.852 ; v1@78.59,54.961 79.78,53.771 R38.2@79.78,53.721 R38.2@79.78,53.671 ; Q15.1@80.33,56.852 80.33,54.221 R38.2@79.78,53.671 ; R35.1@80.772,15.47 C26.2@83.589,15.47 ; U3.15@82.773,45.909 82.773,50.412 81.853,51.332 C25.2@81.853,51.432 81.38,51.905 81.38,52.071 R38.2@79.78,53.671 ; C26.2@83.693,15.366 83.745,15.418 R32.1@86.562,15.418 ; C26.2@83.693,15.418 83.641,15.418 C26.2@83.589,15.47 ; v1(87.757,61.468) v1(92.456,61.468) ; v1(89.408,6.35) 96.875,6.35 R43.2@100.153,9.628 ; R6.1@96.774,56.285 99.672,56.285 C8.2@99.719,56.238 ; v1(99.803,61.449) 99.803,59.52 R7.1@99.719,59.436 C8.2@99.719,56.238 ; C8.2@99.823,56.134 C8.2@99.719,56.238 ; R43.2@100.203,9.628 R43.2@100.153,9.628 ; Q16.1@103.207,9.205 103.38,9.378 103.866,9.378 104.267,9.779 ; v1(103.759,42.926) 103.759,44.503 C19.1@103.829,44.574 103.91,44.654 R20.2@103.91,46.863 104.079,47.032 Q7.1@104.079,49.867 ; 104.267,9.78 104.394,9.907 104.394,14.175 103.649,14.92 Q19.1@103.334,14.92 100.499,14.92 R50.2@100.203,15.216 100.153,15.216 98.806,13.869 98.806,10.975 99.53,10.251 R43.2@100.153,9.628 ; v1(111.506,55.118) 113.26,55.118 R5.1@113.411,55.269 113.461,55.269 114.084,55.892 114.084,55.942 115.443,57.301 115.443,62.102 114.134,63.411 C6.2@113.411,64.134
  Top Layer w0.6: v1@22.425,9.217 v1(22.479,9.217)
  Top Layer w0.95: R35.1@80.772,15.47 R35.1@80.824,15.418 ; R32.1@86.562,15.418 R32.1@86.614,15.47
  Bottom Layer w0.254: v1(22.098,19.939) 22.098,19.851 22.606,19.343 v1(22.606,15.313) 22.543,15.249 22.543,9.28 v1(22.479,9.217) 22.479,3.831 22.225,3.577 v1(22.225,3.429) ; v1(27.559,16.383) 29.083,17.907 v1(35.56,17.907) ; v1(46.609,37.719) 46.609,41.783 59.563,54.737 v1(59.563,55.626) 59.604,55.626 59.985,55.245 v1(67.437,55.245) v1(73.025,55.245) v1(78.486,55.245) 81.534,55.245 v1(87.757,61.468) ; v1(54.356,4.953) 54.419,5.016 69.278,5.016 v1(69.342,5.08) 70.612,6.35 v1(89.408,6.35) ; v1(57.404,61.849) 57.404,62.865 JP6.1@61.976,67.437 ; v1(92.456,61.468) 92.466,61.458 99.793,61.458 v1(99.803,61.449) 105.175,61.449 v1(111.506,55.118) 108.966,52.578 103.759,47.371 v1(103.759,42.926)
  Bottom Layer w0.6: v1(57.404,61.849) v1@57.442,61.887
VDD_AUX: C15.1 JP4.1 U3.99 | length 12
  Top Layer w0.254: JP4.1@98.806,52.451 100.177,52.451 101.376,51.251 C15.1@101.476,51.251 101.473,51.248 101.473,49.276 102.235,48.514 102.235,44.45 101.716,43.931 100.785,43.931 U3.99@100.773,43.919
VIO_MCU1: C1.1 JP1.1 R3.2 | length 8.3
  Top Layer w0.254: R3.2@109.22,60.325 109.22,60.375 109.854,61.009 C1.1@109.854,63.627 110.363,64.136 JP1.1@110.363,67.818
  Top Layer w0.6: JP1.1@110.108,67.563 JP1.1@110.363,67.818
pads on no net: J3. J3.4 J3.6 J3.7 J4.C6 JP5.5 U2.4 U3.3 U3.4 U3.5 U3.7 U3.8 U3.20 U3.21 U3.34 U3.36 U3.40 U3.41 U3.42 U3.43 U3.44 U3.47 U3.67 U3.90 U3.93 U3.95 U3.96 U3.97 U3.98 U3.100 U3.101 U3.102 U3.103 U3.104 U3.105 U3.106 U3.107 U3.108 U3.109 U3.110 U3.111 U3.112 U3.113 U3.114 U3.115 U3.116 U3.117 U3.118 U3.119 U3.120 U3.121 U3.122 U3.123 U3.124

## Polygon pours and split planes (outlines as drawn)
GND on Bottom Layer "GND_L02_P007" (solid, pour order 7): 0,71.12 118.491,71.12 118.491,0 0,0
GND on Bottom Layer "GND_L02_P002" (solid, pour order 2): 0,71.12 118.491,71.12 118.491,0 0,0
GND on Top Layer "GND_L01_P006" (solid, pour order 6): 0,71.12 118.491,71.12 118.491,0 0,0

## Keep-outs
Keep-Out Layer:
  the board outline again, w0.3

## Other copper
Top Layer:

## Silkscreen, mask and mechanical layers (free items; w line width, h text height)
Top Overlay:
  lines w0.254: 4.318,10.922 4.318,16.002 6.858,16.002 6.858,10.922
  text "GND" at 101.346,69.596 h0.8
  text "TX1" at 104.013,69.596 h0.8
  text "RX1" at 106.68,69.596 h0.8
  text "VDD" at 109.347,69.596 h0.8
  text "1V8" at 60.706,69.215 h0.8
  text "3.3V" at 63.373,69.215 h0.8
  text "5V" at 66.548,69.215 h0.8
  text "GND" at 68.58,69.215 h0.8
  text "GND" at 71.247,69.215 h0.8
  text "Clk" at 74.168,69.215 h0.8
  text "CS" at 77.089,69.215 h0.8
  text "Mo" at 79.502,69.215 h0.8
  text "Mi" at 82.169,69.215 h0.8
  text "PWRKEY" at 88.138,67.818 h1
  text "RESET" at 50.419,67.691 h1
  text "3.3V" at 38.735,52.07 h0.9
  text "Netlight" at 47.384,52.07 h0.8 r270
  text "Status" at 67.183,51.689 h0.8 r270
  text "GND" at 109.855,51.308 h0.8
  text "Vio" at 39.37,49.53 h0.9
  text "3V" at 98.171,49.403 h0.8
  text "G12" at 109.855,49.022 h0.8
  text "SIMCom Air Logger" at 70.231,48.641 h1.52
  text "ver1.3" at 90.678,48.006 h1
  text "5V" at 39.878,46.99 h0.9
  text "5V" at 110.236,46.228 h0.8
  text "DHT11" at 111.252,43.688 h1
  text "Anten" at 110.236,36.957 h0.9
  text "BOOT" at 55.372,32.512 h1
  text "USB" at 69.088,25.019 h0.9
  text "Vbat" at 103.632,22.479 h0.8
  text "G5" at 1.524,20.574 h0.8
  text "A7672S" at 86.106,19.431 h1
  text "G17" at 1.651,17.907 h0.8
  text "A1" at 110.744,14.732 h0.8
  text "3V3" at 1.143,14.224 h0.9
  text "G18" at 109.728,11.811 h0.8
  text "GND" at 1.143,11.684 h0.9
  text "Vbat" at 98.171,10.287 h0.8 r270
  text "G8" at 110.363,9.525 h0.8
  text "SCL" at 1.27,9.271 h1
  text "G13" at 109.728,7.747 h0.8
  text "SDA" at 1.143,6.604 h1
  text "5V" at 90.551,5.334 h0.8
  text "A0" at 93.218,5.334 h0.8
  text "GND" at 95.504,5.207 h0.8
  text "5V" at 76.073,4.953 h0.8
  text "GND" at 78.867,4.953 h0.8
  text "R2" at 81.915,4.953 h0.8
  text "T2" at 84.455,4.953 h0.8
  text "MQ135" at 98.552,2.032 h1
  text "SDS011" at 70.231,1.397 h1
  text "RX2" at 28.575,0.762 h0.9
  text "TX2" at 31.496,0.762 h0.9
  text "GND" at 34.544,0.762 h0.9
  text "5V" at 37.465,0.762 h0.9

## Text inside footprints (layer, text, board x,y; h text height)
U2: Mechanical 1 "1" at 28.087,35.001 h1.2; Mechanical 1 "2" at 30.292,35.001 h1.2; Mechanical 1 "3" at 32.497,35.001 h1.2